# Altium PCB SPG300 Rev05.PcbDoc (part 3 of 8) (continued)
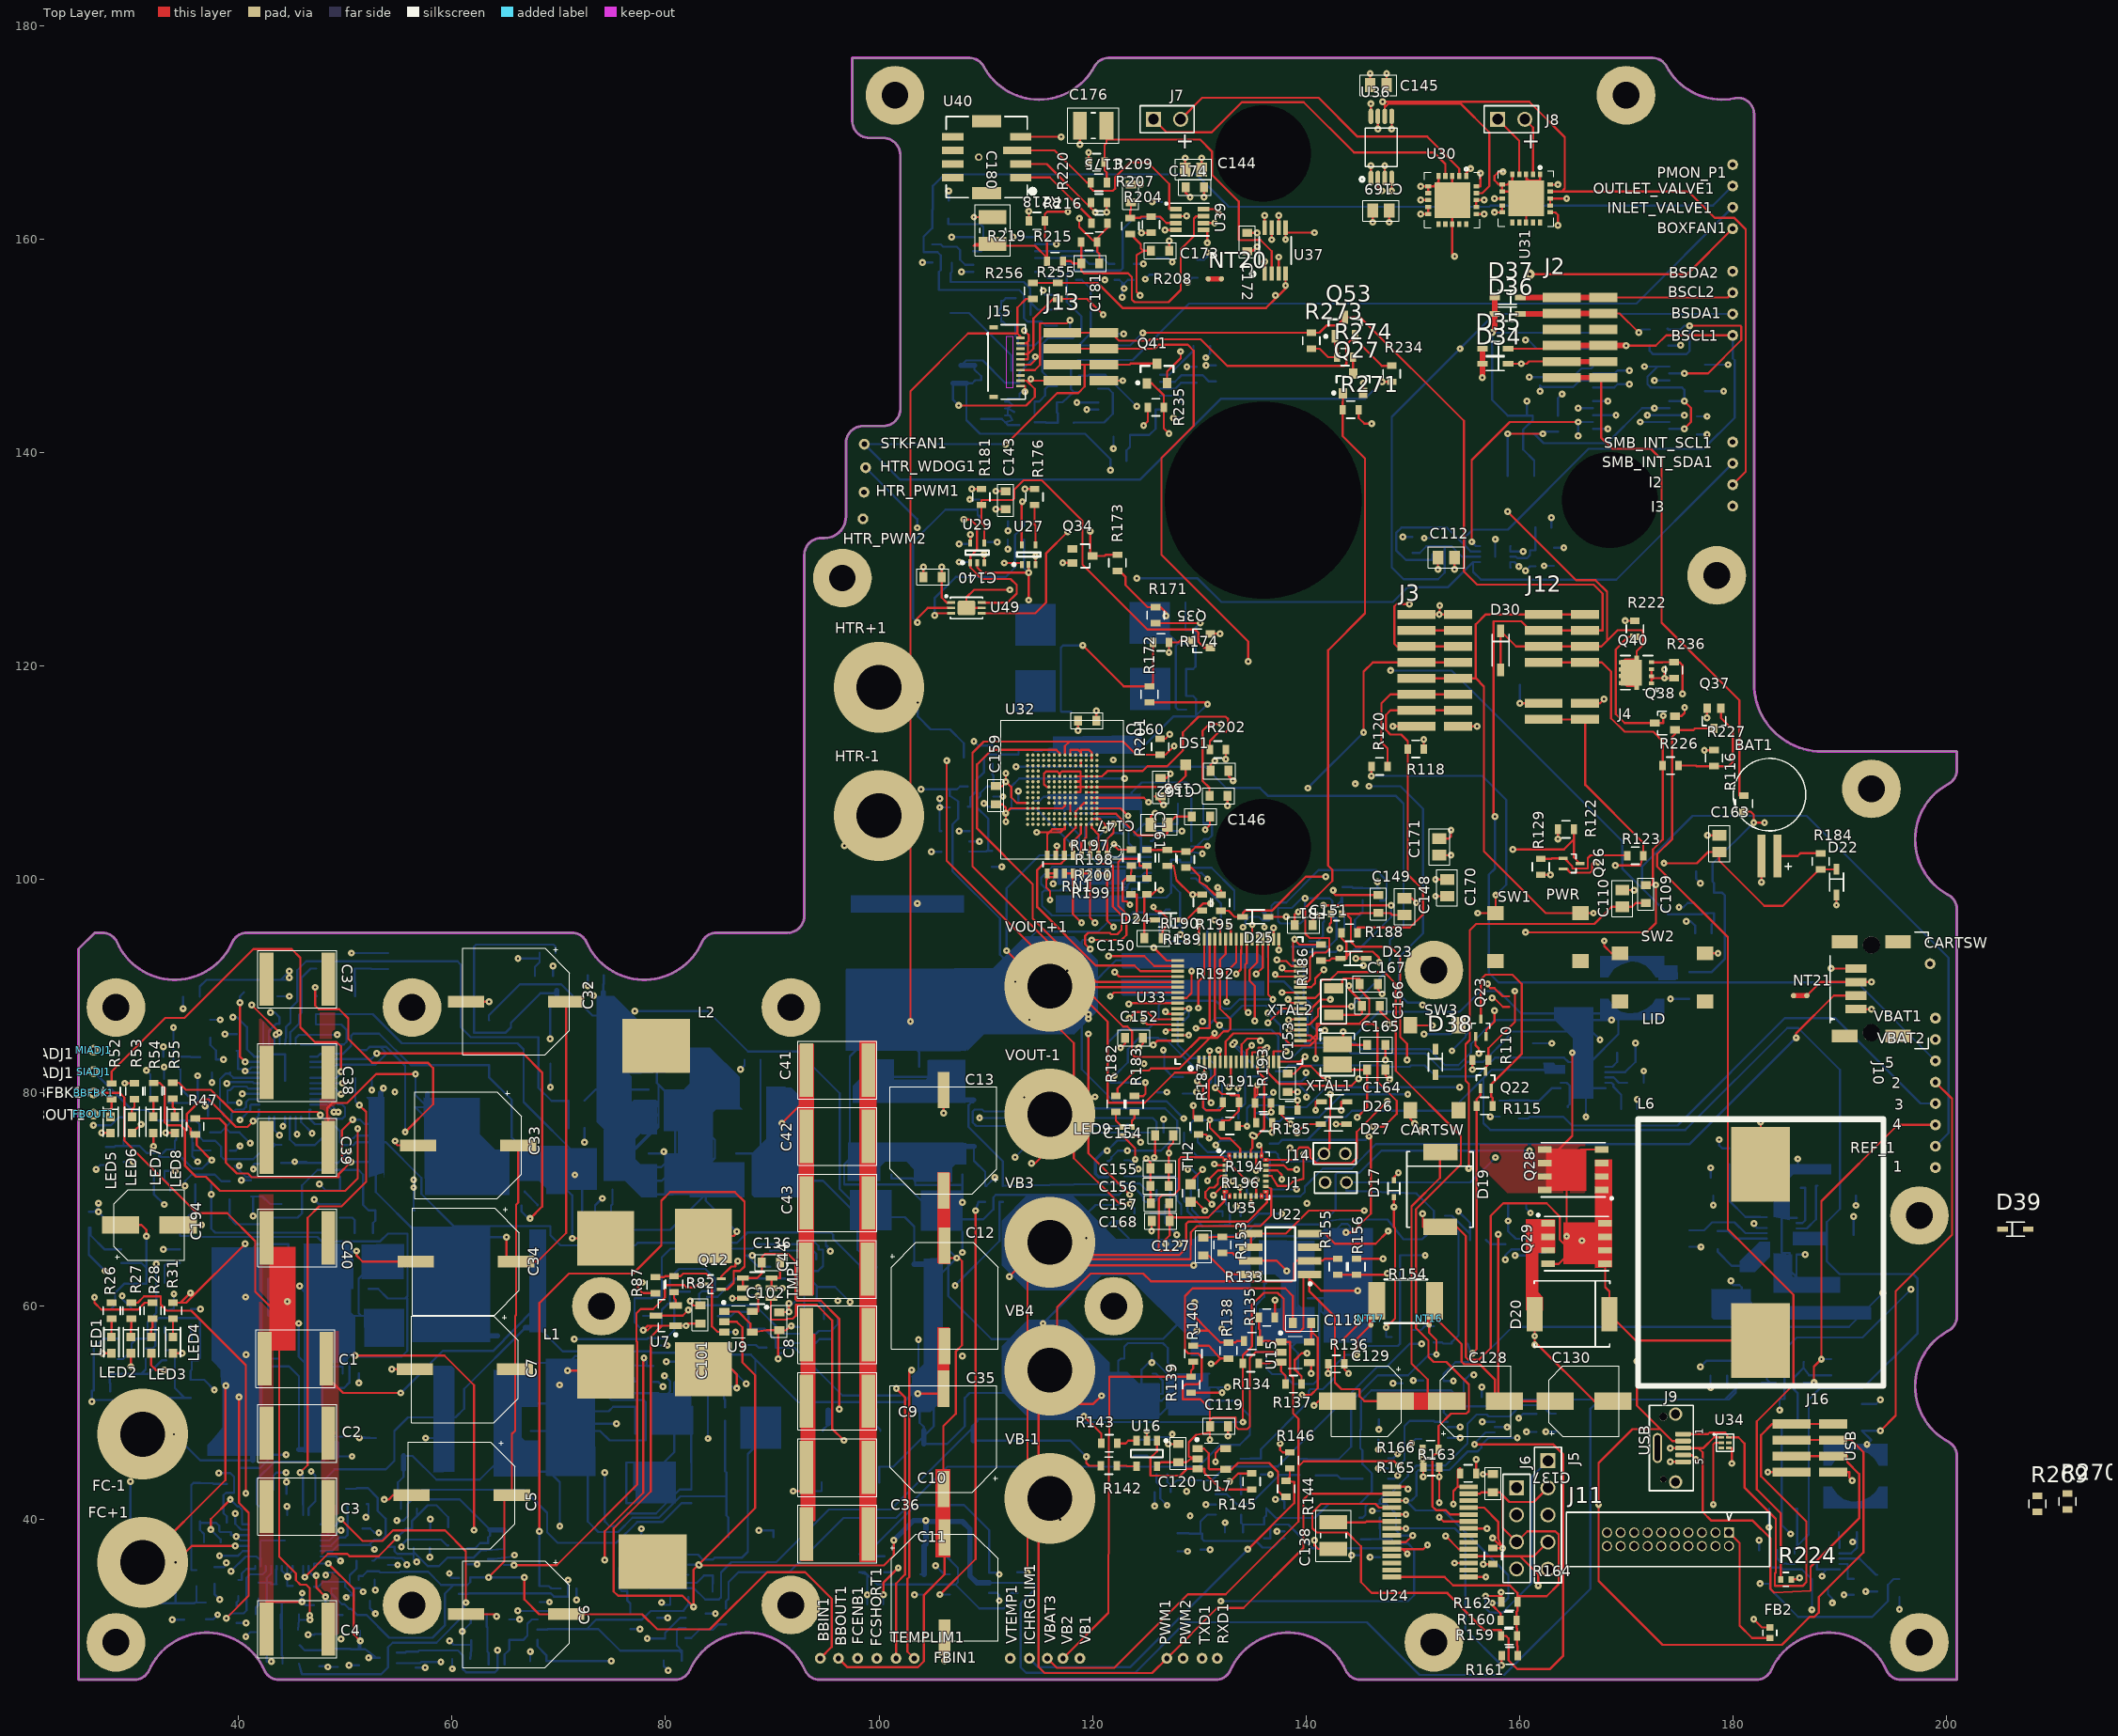
[diagram p0: Top Layer view]
## Part data (continued)
RN1: "CTS Resistor Network SMD 8 res", Supplier Part Number 1=742C163333JPCT-ND, Supplier 1=Digi-Key
SW1 SW2 SW3: "Momentary Push Switch", Supplier Part Number 1=CKN9112CT-ND, Supplier 1=Digi-Key
TH1 TH2: "Thermistor", Case-EIA=0603, Supplier Part Number 1=495-7392-1-ND, Name=NTC, Supplier 1=Digi-Key, Technology=NTC
TMP1: "TI Temperature Sensor I2C", Package=SOT23-6, Supplier Part Number 1=296-26833-1-ND, Supplier 1=Digi-Key
TZ1: library part TRANZORB, Package=SMC, Supplier Part Number 1=SMLJ33ABCT-ND, DeviceName=SMLJ33ABCT, DeviceSetName=TRANZORB, GateName_1=G$1, LibraryName=DualBankCharger-05AD, Supplier 1=Digi-Key, SymbolName_1=TVS-2
U1 U2: "Linear Tech Buck/Boost", Package=QFN38, Supplier Part Number 1=LT8705AEUHF#PBF-ND, Supplier 1=Digi-Key
U3: "DC/DC Buck"
U4: "Syncronous Buck 42V max", Package=Pkg, Supplier Part Number 1=LT8607HMSE#PBF-ND, Supplier 1=Digi-Key
U5: "Syncronous Buck 42V max", Package=Pkg
U6: Package="DHD  DFN-10EP", Supplier Part Number 1=LTC3115IDHD-1#TRPBFCT-ND, Supplier 1=Digi-Key
U7: "Temperature Sensor", Supplier Part Number 1=TC1047AVNBCT-ND, PKG=SOT23-3, Supplier 1=Digi-Key
U8 U10 U11 U12: "Op Amp Single R/R", Package="SOT 23-5"
U9 U15 U17 U26 U43 U47: "Op Amp Single R/R", Package="SOT 23-5", Supplier Part Number 1=576-2575-1-ND, Supplier 1=Digi-Key
U13: "I2C Isolator", PKG=SSOP20
U14: "I2C SMBus Address Translator", Supplier Part Number 1=LTC4316CDD#PBF-ND, Supplier 1=Digi-Key
U16 U18 U19 U25 U42 U45: Package=SOT23-5, Supplier Part Number 1=ZXCT1082E5TACT-ND, Supplier 1=Digi-Key
U20 U21: "Analog CMOS Op  Amp", Package=SC70, Supplier Part Number 1=AD8500AKSZ-REEL7CT-ND, Supplier 1=Digi-Key
U22 U46 U48: "Micrel Hi Side Driver", Supplier Part Number 1=576-1239-1-ND, PKG=SOIC8, Supplier 1=Digi-Key
U23: "TI 4 Ch input Sigma Delta ADC", Package=TFSSOP-10, Supplier Part Number 1=296-38849-1-ND, Supplier 1=Digi-Key
U24: "Microchip PIC", Package=SSOP28
U27 U29: "Low Power Single 2-Input AND gate", Package=SOT-353, Supplier Part Number 1=74AUP1G08SE-7DICT-ND, Supplier 1=Digi-Key
U30 U31: "Microchip Thermocouple EMF to Temperature Converter I2C", Package=MQFN20-EP, Supplier Part Number 1=MCP9600-E/MX-ND, Supplier 1=Digi-Key
U32: "Micron 8GB Flash", Package=BGA-153
U33: "STMicro uProcessor ARM Core 4", Package=QFN-64, Supplier Part Number 1=497-15877-ND, Supplier 1=Digi-Key
U34: "USB TVS"
U35: Supplier Part Number 1=497-11564-ND, Supplier 1=Digi-Key
U36: "2k EEPROM I2C", Package=TSSOP8, Supplier Part Number 1=AT24C02D-XHM-TTR-ND, Supplier 1=Digi-Key
U37: "Maxim 4ch 12bit I2C ADC", Package=uMAX8, Supplier Part Number 1=MAX11613EUA+CT-ND, Supplier 1=Digi-Key
U38 U41: "TI DC Current Solenoid Driver"
U39: "Op Amp - Dual Low Power", Supplier Part Number 1=296-32185-1-ND, Name=OPA2397, Supplier 1=Digi-Key
U40: library part "ICSP 1451-P", "15psi pressure guage", Note=Hand-Solder, Supplier Part Number 1="ICSP 1471-15G-T"
U44: "Analog Devices -", Package=QSOP16, Supplier Part Number 1=ADM1270ARQZ-R7CT-ND, Supplier 1=Digi-Key
U49: "IC Mono Multibrator", Manufacturer 1="Linear Technologies", Manufacturer 1 Part Number=LTC6993-2, Package=DFN6-EP
VR1: "Microchip 150mA Adj LDO", Package="SOT 23-5", Supplier Part Number 1=576-1262-1-ND, PN=MIC5205YM5-TR, Supplier 1=Digi-Key
VR2: library part REFxxxx, Package=SOT23-3, Supplier Part Number 1=296-26324-1-ND, Name=REF3033, Supplier 1=Digi-Key
XTAL1: "Generic Crystal Symbol", Supplier Part Number 1=535-9542-1-ND, Supplier 1=Digi-Key
XTAL2: "Generic Crystal Symbol", Supplier Part Number 1=644-1178-1-ND, Supplier 1=Digi-Key

## Free pads (board coordinates)
  round 5.5 hole 2.5 paste-0.2: 18(28.5,28.5) 18(28.5,88) 18(56.25,32) 18(56.25,88) 18(74,60) 18(91.75,32) 18(91.75,88) 18(96.569,128.251) 18(122,60) 18(152,28.5) 18(152,91.5) 18(170,173.5) 18(178.5,128.5) 18(193,108.5) 18(197.5,68.5)
  round 5.5 hole 2.5 unplated paste-0.2: 18(101.5,173.5) 18(197.5,28.5)
  round 7.5 hole 9 unplated paste-0.2: 18(136,103.05) 18(136,168.05) 18(168.5,135.55)
  round 18 hole 18.429 unplated paste-0.2: 19(136,135.55)

## Via types
v1: diameter 0.65, hole 0.203, Top Layer to Bottom Layer, 964 vias
v2: diameter 8.5/0.5/0.5/8.5 (per signal layer), hole 4.2, Top Layer to Bottom Layer, 9 vias
v3: diameter 0.905, hole 0.305, Top Layer to Bottom Layer, 1 vias

## Nets (pads, with @x,y where several pads share a name; then routed paths per layer and width w, separated by ;. In a path a pad name is that pad's centre, name@x,y a point inside that pad or via, vN(x,y) a via of type N, cw(c..) or ccw(c..) an arc to the next point about the centre after c; other vN are vias at no path point)
3V3: 1.1 C66.1 C68.1 C70.1 C112.1 C113.1 C116.1 C117.1 C140.1 C142.1 C143.1 C144.1 C145.1 C150.1 C151.1 C152.1 C153.1 C154.1 C155.1 C156.1 C157.1 C158.1 C159.1 C160.1 C161.1 C162.1 C168.1 C169.1 C170.1 C171.1 C172.1 C174.1 D22.A FB1.1 FB2.1 I1.2 J3.1 J4.1 J10.1 LED1.A LED2.A LED3.A LED4.A LED5.A LED6.A LED7.A LED8.A Q23.1 R61.2 R110.1 R118.2 R122.1 R127.2 R128.2 R131.1 R179.1 R186.2 R187.2 R189.1 R190.1 R197.2 R201.1 R202.1 R222.2 R224.2 R249.2 R267.2 R268.2 RN1.9 RN1.10 RN1.11 RN1.12 RN1.13 RN1.14 RN1.15 RN1.16 SW2.2 U3.18 U13.4 U13.9 U14.4 U14.5 U26.2 U27.5 U29.5 U30.8 U31.8 U31.16 U32.C6 U32.E6 U32.E14 U32.F5 U32.G1 U32.G2 U32.G3 U32.J10 U32.K9 U32.M4 U32.N4 U32.P3 U32.P5 U33.19 U33.32 U33.48 U33.64 U35.7 U36.1 U36.8 U37.8 U39.8 U49.1 | length 173.4
  Top Layer w0.203: v1(27.148,76.25) LED5.A@28,76.25 ; v1(27.223,55.6) LED1.A@28.075,55.6 ; v1(29.9,54.342) LED2.A@29.9,55.6 ; LED6.A@30,76.25 30.406,76.656 30.446,76.656 v1(30.852,77.063) ; LED3.A@31.8,55.6 31.8,54.467 32.246,54.022 v1(33.02,54.022) ; v1(32,74.992) LED7.A@32,76.25 ; v1(33.148,76.25) LED8.A@34,76.25 ; LED4.A@33.846,55.6 v1(34.698,55.6) ; v1(105.875,129.278) C140.1@105.875,128.351 105.875,126.419 106.345,125.95 U49.1@106.775,125.95 ; U29.5@108.56,131.549 v1(108.56,132.326) ; v1(110.948,134.7) C143.1@111.875,134.7 ; C159.1@110.96,108.74 111.557,108.74 111.887,109.071 v1(111.887,109.169) ; v1(111.887,109.959) v1(111.887,109.169) ; U27.5@113.371,131.374 113.371,135.417 v1(113.436,135.417) ; U32.E14@113.924,107.165 112.925,107.165 112.395,107.696 112.395,108.662 v1(111.887,109.169) ; RN1.9@115.775,100.576 115.775,100.559 RN1.10@116.575,100.559 ; v1(116.035,98.084) 116.035,98.891 115.677,99.249 115.677,99.974 115.93,100.227 116.575,100.227 RN1.10@116.575,100.559 ; RN1.10@116.575,100.576 RN1.10@116.575,100.559 ; RN1.11@117.375,100.576 117.375,100.559 RN1.12@118.175,100.559 ; U32.C6@117.924,106.165 U32.E6@117.924,107.165 ; RN1.12@118.175,100.576 RN1.12@118.175,100.559 ; v1(118.66,113.957) C160.1@118.66,114.884 ; U32.M4@118.924,110.665 U32.N4@118.924,111.165 ; RN1.13@118.975,100.576 118.975,100.559 RN1.14@119.775,100.559 ; v1(118.981,95.95) 118.175,96.757 RN1.12@118.175,100.559 ; U32.G3@119.424,108.165 U32.G2@119.924,108.165 U32.G1@120.424,108.165 ; RN1.14@119.775,100.576 RN1.14@119.775,100.559 ; v1(120.251,95.95) 119.775,96.427 RN1.14@119.775,100.559 ; RN1.15@120.575,100.576 120.575,100.559 RN1.16@121.375,100.559 ; RN1.16@121.375,100.576 RN1.16@121.375,100.559 ; v1(121.978,95.544) 121.375,96.147 RN1.16@121.375,100.559 ; v1(124.344,84.222) 124.75,84.628 C152.1@124.75,85.149 ; R197.2@125.099,102.774 R189.1@127.026,102.774 127.102,102.774 127.251,102.625 R190.1@128.751,102.625 129.255,102.625 129.672,103.043 130.683,103.043 v1(130.785,103.145) ; v1(125.706,84.494) 126.112,84.9 U33.64@127.977,84.9 ; v1(125.725,97.423) 125.725,97.276 125.984,97.017 126.39,97.017 126.981,96.426 126.981,95.669 126.575,95.262 C150.1@126.575,94.5 ; R201.1@126.351,113.191 126.846,113.191 v1(127.253,113.598) ; C161.1@126.386,109.5 126.907,109.5 v1(127.313,109.907) ; v1(126.844,65.837) 126.844,66.244 127.25,66.65 C168.1@127.25,67.984 127.25,68.072 127.195,68.072 127.195,68.747 ; C156.1@127.147,71.275 127.147,72.085 ; C155.1@127.147,72.925 127.147,72.085 ; v1(127.18,74.348) v1@127.147,74.348 ; C157.1@127.195,69.645 127.195,68.747 ; C154.1@127.573,76.001 127.573,75.331 127.147,74.905 v1@127.147,74.348 ; v1(129.461,78.819) 129.461,77.6 R187.2@129.956,77.6 ; U33.48@129.977,94.4 v1(129.977,95.859) ; C144.1@130.241,166.524 v1(130.241,167.626) ; U39.8@130.435,162.824 131.437,162.824 v1(131.844,162.417) ; v1(130.45,163.951) C174.1@130.45,164.878 ; U35.7@132.374,70.725 132.374,69.845 130.861,68.332 127.61,68.332 127.195,68.747 ; v1(132.5,111.273) R202.1@132.5,112.175 ; v1(132.665,106.914) C162.1@132.665,107.841 ; C158.1@132.767,110.189 132.767,109.669 v1(133.173,109.262) ; C172.1@134.501,160.602 v1(135.428,160.602) ; U37.8@136.15,161.098 v1(136.15,162.225) ; C153.1@138.301,81.789 138.866,81.789 139.59,82.513 140.464,82.513 141.631,81.346 v1(142.037,81.346) ; v1(138.425,85.9) U33.19@139.477,85.9 ; v1(138.933,94.42) v1@138.933,94.407 ; v1(138.938,94.412) v1@138.933,94.407 ; C151.1@138.95,95.72 138.95,96.725 139.192,96.967 v1(139.294,96.967) ; U33.32@139.477,92.4 138.806,92.4 138.806,94.28 v1@138.933,94.407 ; R186.2@141.425,93.9 139.395,93.9 138.933,94.362 v1@138.933,94.407 ; v1(142.24,95.285) 142.24,95.829 142.367,95.956 FB1.1@142.367,96.788 ; C145.1@146.024,174.45 v1(146.024,175.552) ; U36.1@146.099,165.725 v1(146.099,166.902) ; U36.8@146.099,171.525 v1(146.099,172.702) ; v1(146.275,161.597) C169.1@146.275,162.699 ; J3.1@150.375,124.85 152.231,124.85 152.552,125.171 v1(152.552,125.679) ; v1(150.75,163.675) U30.8@151.477,163.675 ; R118.2@151.049,112.225 v1(151.049,113.127) ; v1(152.148,99.986) C170.1@153.25,99.986 ; v1(152.498,124.85) J3.1@154.275,124.85 ; C171.1@152.5,102.272 v1(153.602,102.272) ; v1(153.93,129.073) C112.1@153.93,130.175 ; v1(155.61,82.174) R110.1@155.61,83.076 ; Q23.1@155.9,85.299 155.9,84.459 156.21,84.149 v1(156.21,83.696) ; v1(157.673,163.827) U31.8@158.4,163.827 ; v1(160.048,116.501) J4.1@162.275,116.501 ; U31.16@162.9,162.527 163.373,162.527 163.627,162.273 v1(163.627,161.308) ; v1(163.62,103.799) R122.1@163.62,104.701 ; J4.1@166.175,116.501 167.545,116.501 v1(167.952,116.907) ; v1(169.932,124.25) R222.2@170.834,124.25 ; SW2.2@177.401,93.076 v1(178.628,93.076) ; v1(181.972,30.67) 182.742,29.9 FB2.1@183.475,29.9 ; R224.2@185.5,34.4 186.122,34.4 v1(186.27,34.547) ; v1(189.725,97.598) D22.A@189.725,98.55 ; J10.1@191.55,87.845 v1(193.002,87.845) ; 127.147,72.085 v1@127.147,74.348
  Bottom Layer w0.203: v1(107.497,131.451) C142.1@108.424,131.451 ; U26.2@108.466,103.574 v1(109.418,103.574) ; v1(108.497,135.616) R179.1@109.399,135.616 ; v1(133.331,84.738) 133.331,84.332 133.675,84.332 134.305,83.702 134.305,78.991 133.675,78.361 R249.2@133.675,77.624 ; v1(149.099,132.099) R128.2@150.001,132.099 ; v1(151.099,131.999) R127.2@152.001,131.999 ; v1(153.692,83.936) 153.692,83.966 154.971,85.246 154.971,85.4 R267.2@155.169,85.598 ; U14.5@159.164,129.249 159.156,129.249 159.156,129.749 U14.4@159.164,129.749 159.547,129.749 v1(159.954,129.343) ; v1(160.048,116.501) 160.048,118.223 R268.2@160.05,118.225 ; v1(160.599,128.943) 161.005,129.349 R131.1@161.501,129.349 ; v1(162.324,129.399) C113.1@163.251,129.399 ; v1(165.507,144.174) U13.4@166.909,144.174 ; U13.9@166.909,147.424 168.932,147.424 169.197,147.689 v1(170.307,147.689) ; C117.1@176.676,141.7 v1(177.603,141.7) ; C116.1@177.399,145.75 v1(179.151,145.75) ; C66.1@177.951,72.048 v1(177.951,72.975) ; v1(178.178,69.474) R61.2@178.178,70.376 ; v1(179.832,62.382) 179.832,62.186 180.035,61.983 180.629,61.983 180.838,61.773 180.838,60.976 I1.2@179.924,60.976 ; v1(181.982,67.749) 181.982,67.632 182.27,67.343 U3.18@183.19,67.343
3V3A_MCU: C148.1 C149.1 FB1.2 U33.13 | length 39.4
  Top Layer w0.203: U33.13@135.977,82.9 135.977,83.845 v1(136.18,84.049) ; FB1.2@143.367,96.788 143.75,96.788 ; C148.1@149.239,96.675 148.105,96.675 147.93,96.85 C149.1@146.8,96.85 145.096,96.85 145.034,96.788 143.75,96.788 ; v1(149.479,83.072) 149.479,84.609 148.846,85.242 148.846,92.784 147.93,93.701 144.678,93.701 144.221,94.158 144.221,96.317 143.75,96.788
  Layer 1 w0.203: v1(136.18,84.049) 137.716,82.513 147.118,82.513 147.188,82.443 148.66,82.443 149.142,82.925 149.21,82.925 149.358,83.072 v1(149.479,83.072)
3V6: 4.1 C85.1 C131.1 C136.1 C137.1 J5.2 J6.3 R68.2 R159.2 R160.2 R161.2 R162.1 TMP1.4 TMP1.5 U23.8 U24.13 U24.28 VR1.5 | length 217.3
  Top Layer w0.203: TMP1.5@87.251,61.7 TMP1.4@87.251,62.65 88.595,62.65 89.025,63.08 C136.1@89.025,64.101 89.025,64.618 89.304,64.897 91.491,64.897 92.177,64.211 92.177,60.655 92.294,60.538 94.561,60.538 96.266,58.833 v1(96.266,50.343) ; U24.28@148.051,34.631 152.999,34.631 153.797,33.833 159.119,33.833 159.83,33.122 159.83,32.817 ; U24.13@155.251,42.43 156.312,42.43 156.44,42.559 C137.1@157.531,42.559 158.166,42.559 158.445,42.279 ; R161.2@159.85,27.251 159.85,28.143 159.801,28.192 R159.2@159.801,29.101 159.801,29.794 159.751,29.844 R160.2@159.751,30.551 159.751,31.369 159.83,31.449 R162.1@159.83,32.299 159.83,32.817 ; J5.2@162.687,42.977 161.366,41.656 159.068,41.656 158.445,42.279 ; v1(187.616,52.85) 187.616,54.344 v1(188.311,55.039) 188.311,69.845 195.466,77 4.1@199,77 ; 158.445,42.279 158.445,39.216 J6.3@159.751,37.911 160.753,38.913 163.387,38.913 163.692,38.608 163.692,33.949 162.56,32.817 159.83,32.817
  Layer 1 w0.203: v1(96.266,50.343) 140.147,50.343 140.427,50.063 141.407,50.063 141.687,50.343 160.223,50.343 160.579,49.987 160.579,49.124 160.122,48.666 v1(158.877,48.666) ; v1(156.5,52.428) 157.082,53.01 178.835,53.01 179.473,52.372 179.475,52.375 187.141,52.375 v1(187.616,52.85)
  Layer 2 w0.203: v1(156.5,52.428) 156.5,51.044 v1(158.877,48.666) 158.877,46.787 J5.2@162.687,42.977
  Bottom Layer w0.203: C131.1@156.5,51.501 v1(156.5,52.428) ; U23.8@157.7,48.675 158.869,48.675 v1(158.877,48.666) ; 179.473,52.372 179.475,52.37 C85.1@179.475,53.472 ; VR1.5@186.664,52.85 v1(187.616,52.85) ; v1(188.311,55.039) R68.2@189.213,55.039
5V0: 3.1 C77.2 C78.1 C79.1 C84.1 C100.1 C101.1 C103.1 C104.1 C105.1 C118.1 C119.1 C120.1 C121.1 C122.1 C125.1 C126.1 C139.1 C185.1 C191.1 L4.2 R67.1 R101.1 R116.2 R198.2 TH1.2 U7.1 U8.2 U9.2 U10.2 U11.2 U12.2 U15.2 U16.5 U17.2 U18.5 U19.5 U20.5 U21.5 U25.5 U42.5 U43.2 U45.5 U47.2 VR1.1 VR1.3 VR2.1 | length 723.7
  Top Layer w0.203: v1(81.93,58.175) v1@81.822,58.175 ; v1(83.146,35.712) 100.457,35.712 101.397,36.652 v1(101.397,38.075) ; C101.1@83.249,58.375 82.022,58.375 v1@81.822,58.175 ; U9.2@85.51,58.549 86.662,58.549 87.198,58.014 87.198,54.737 88.387,53.548 88.387,41.078 v1(83.083,35.775) 82.626,35.317 v1(82.626,31.826) 81.593,32.86 75.548,32.86 75.133,33.274 75.133,39.167 78.608,42.641 78.608,57.129 79.654,58.175 ; R198.2@123.601,98.6 124.15,98.6 v1(124.15,96.291) ; U16.5@126.05,45.001 126.424,45.375 C120.1@128.05,45.375 128.778,45.375 129.235,45.7 U17.2@129.857,45.7 129.032,45.903 129.032,47.244 129.743,47.955 131.011,48.158 ; v1(131.011,47.496) 131.011,48.158 ; U15.2@137.684,55.7 135.297,55.7 134.747,55.15 134.747,48.717 134.518,48.489 133.68,48.489 133.401,48.768 133.401,49.555 131.267,49.555 131.011,49.3 ; C118.1@138.79,58.436 138.79,60.96 138.079,61.671 129.388,61.671 128.676,60.96 128.676,55.88 128.981,55.575 129.921,55.575 130.226,55.27 130.226,53.035 129.87,52.68 128.727,52.68 128.473,52.426 128.473,51.283 130.122,51.283 131.011,50.394 131.011,49.3 ; R116.2@181.051,106.355 181.681,106.355 181.966,106.07 v1(181.966,105.334) v1(182.987,105.334) ; 78.724,58.175 78.317,58.175 v1(77.902,57.76) 78.308,57.76 78.724,58.175 ; 78.724,58.175 79.654,58.175 ; 79.654,58.175 U7.1@80.951,58.175 v1@81.822,58.175 ; 131.011,48.158 C119.1@131.011,48.75 131.011,49.3
  Layer 1 w0.203: v1(37.719,52.146) 37.942,51.923 39.41,51.923 39.837,52.349 44.882,52.349 46.152,51.079 71.222,51.079 v1(77.902,57.76) ; v1(104.37,39.929) 105.182,40.742 124.257,40.742 v1(131.011,47.496)
  Layer 2 w0.203: v1(81.93,58.175) 87.396,63.641 87.396,66.67 98.806,78.08 98.806,103.302 v1(103.955,108.45) ; v1(182.987,105.334) 187.071,105.334 199.822,92.583 199.822,79.822 3.1@199,79 200.558,77.442 200.558,65.456 v1(196.698,61.595)
  Bottom Layer w0.203: U47.2@31.291,56.025 31.92,56.025 32.182,56.286 32.182,58.572 32.512,58.903 36.17,58.903 36.373,58.699 36.373,55.128 36.17,54.925 U45.5@35.599,54.925 35.599,54.056 35.493,53.95 C191.1@35.493,53.1 36.765,53.1 v1(37.719,52.146) ; U12.2@67.991,29.7 68.936,29.7 68.981,29.745 C105.1@69.927,29.745 72.619,29.745 ; v1(77.902,57.76) 77.826,57.76 77.089,58.496 77.089,60.749 TH1.2@77.9,60.749 78.715,60.749 78.79,60.825 R101.1@79.649,60.825 79.649,64.587 80.467,65.405 88.138,65.405 88.544,65.811 93.325,65.811 C104.1@93.325,66.09 93.878,66.09 94.336,65.632 94.336,65.303 94.76,65.303 94.76,63.774 94.285,63.299 93.359,63.299 93.175,63.483 U11.2@93.175,64.416 ; C103.1@81.525,26.8 81.525,27.466 ; U10.2@81.866,29.85 81.28,29.85 81.051,29.621 81.051,28.194 81.525,27.72 81.525,27.466 ; C100.1@82.15,32.75 82.15,32.106 ; U42.5@103.886,34.875 U42.5@104.226,34.875 ; v1(103.955,108.45) C139.1@106.624,108.45 ; U25.5@108.326,108.724 107.588,108.724 107.315,108.45 C139.1@106.624,108.45 ; U43.2@110.333,34.075 114.438,34.075 114.605,33.909 114.605,33.452 113.284,32.131 113.284,26.162 113.792,25.654 124.003,25.654 128.727,30.378 145.72,30.378 150.66,25.439 158.585,25.439 166.675,33.528 166.675,50.394 167.538,51.257 ; v1(124.15,96.291) 124.032,96.174 121.6,96.174 120.527,95.1 114.735,95.1 112.166,92.532 111.76,92.532 111.333,92.959 111.333,96.337 106.883,100.787 106.883,105.156 107.417,105.689 107.417,107.315 106.624,107.848 C139.1@106.624,108.45 ; U18.5@133.948,40.474 133.948,39.698 134.124,39.522 ; C121.1@134.124,38.79 134.124,39.522 ; C77.2@159.975,77.599 160.833,77.599 160.987,77.753 R67.1@161.885,77.753 164.131,77.753 164.948,76.937 174.827,76.937 184.905,87.015 189.591,87.015 197.606,79 3.1@199,79 ; C78.1@175.928,91.306 178.003,91.306 179.273,92.576 179.273,98.496 179.019,98.75 VR2.1@178.251,98.75 178.251,99.67 178.116,99.805 C79.1@178.116,100.75 178.116,101.484 v1(181.966,105.334) ; VR1.1@184.034,52.85 183.49,52.85 ; v1(196.698,61.595) 192.176,57.074 186.004,57.074 184.034,55.104 VR1.3@184.034,54.75 183.49,54.75 183.21,54.471 183.21,53.129 183.49,52.85 ; 72.619,29.745 73.709,29.745 75.743,27.711 81.28,27.711 81.525,27.466 ; 72.619,29.745 73.506,30.632 77.8,30.632 78.613,31.445 81.686,31.445 82.15,32.106 ; 82.15,32.106 v1(82.626,31.826) 82.43,31.826 82.15,32.106 ; 134.124,39.522 134.124,39.55 U20.5@136.102,39.55 136.102,40.183 136.301,40.382 C125.1@136.301,41.049 137.193,40.157 140.843,40.157 142.16,41.474 U21.5@145.028,41.474 146.177,42.623 146.177,44.336 145.301,45.212 U19.5@145.301,45.745 145.301,46.507 145.1,46.708 C126.1@145.1,47.494 145.1,48.387 145.156,48.443 C122.1@145.156,49.373 145.156,51.136 146.141,52.121 153.619,52.121 153.924,51.816 153.924,50.927 154.229,50.622 158.318,50.622 158.953,51.257 167.538,51.257 ; 167.538,51.257 179.279,51.257 ; 179.279,51.257 180.289,52.267 ; 179.279,51.257 179.629,51.257 180.289,51.918 180.289,52.267 ; 180.289,52.267 C84.1@180.746,52.724 ; 180.289,52.267 180.289,52.426 180.588,52.724 C84.1@180.746,52.724 ; C84.1@180.746,52.724 C84.1@181.35,52.724 182.626,52.724 182.752,52.85 183.49,52.85 ; U8.2@82.141,35.775 83.08,35.716 v1(83.146,35.712) v1(83.083,35.775) U8.2@82.141,35.775
  Bottom Layer w0.5: v1(101.397,38.075) 103.251,39.929 v1(104.37,39.929) ; U42.5@104.226,34.875 104.226,37.53 104.37,37.673 C185.1@104.37,37.773 104.41,37.814 104.41,39.848 104.398,39.86 104.398,39.917 104.41,39.929 104.512,39.827 107.815,39.827 108.509,39.133 108.509,34.75 109.183,34.075 U43.2@110.333,34.075
7V5: 2.1 C25.1 C56.1 C69.2 C74.1 L3.2 R62.1 U1.29 U2.29 | length 278.9
  Top Layer w0.203: v1(45.745,44.399) 46.457,45.11 46.457,68.275 47.549,69.367 49.632,69.367 51.937,71.673 51.937,78.213 v1(51.308,78.842) ; v1(193.853,48.338) 195.275,49.76 195.275,61.417 200.558,66.7 200.558,79.442 2.1@199,81
  Layer 1 w0.203: v1(45.745,44.399) 51.156,49.809 86.477,49.809 90.007,53.34 130.947,53.34 131.989,54.381 154.271,54.381 154.717,53.936 154.717,53.005 156.87,50.851 179.172,50.851 182.956,47.066 v1(192.581,47.066) ; v1(49.327,78.207) 50.673,78.207 v1(51.308,78.842)
  Layer 2 w0.203: v1(182.575,34) 192.581,44.006 v1(192.581,47.066)
  Bottom Layer w0.203: v1(45.745,44.399) 46.026,44.119 C25.1@46.026,42.425 46.026,41.426 46.05,41.402 U1.29@46.05,40.45 ; U2.29@46.738,79.401 48.133,79.401 v1(49.327,78.207) ; C56.1@50.924,81.376 50.924,79.225 v1(51.308,78.842) ; v1(182.575,34) R62.1@183.476,34 183.476,33.542 186.126,30.892 193.071,30.892 194.539,32.36 194.539,33.892 195.072,34.425 C69.2@195.626,34.425 ; v1(192.581,47.066) 192.976,47.461 C74.1@192.1,48.338 v1(193.853,48.338)
12V0: 5.1 C89.1 C90.1 C92.1 C93.1 C94.1 C95.1 D28.C D29.C D33.A J12.2 NT22.2 NT23.2 Q53.3 R72.1 R205.2 R223.2 R273.1 U6.3 U48.5 U48.6 | length 448.6
  Top Layer w0.203: v1(124.718,151.232) 124.737,151.25 R273.1@140.516,151.25 141.268,151.25 141.935,151.917 142.892,151.917 Q53.3@143.675,152.7 143.675,152.705 145.085,152.705 154.813,142.977 154.813,128.88 156.058,127.635 166.98,127.635 167.818,126.797 167.818,123.35 J12.2@166.175,123.35 J12.2@162.275,123.35 161.054,123.35 160.198,124.206 157.582,124.206 157.582,106.045 v1(157.734,105.893)
  Layer 1 w0.203: v1(47.574,71.45) 47.981,71.857 v1(56.388,71.857) ; v1(56.388,71.12) 67.208,81.94 76.225,81.94 ; v1(121.691,138.354) 100.279,138.354 99.644,137.719 98.349,137.719 97.663,137.033 97.663,132.944 99.746,130.861 99.746,93.269 98.349,91.872 86.157,91.872 76.225,81.94 ; v1(130.302,102.413) 129.489,103.226 129.489,106.745 128.03,108.204 119.557,108.204 102.412,91.059 85.75,91.059 76.632,81.94 76.225,81.94 ; v1(146.71,99.771) 146.71,102.591 150.012,105.893 v1(157.734,105.893)
  Layer 2 w0.203: v1(121.691,138.354) 123.495,140.157 123.495,150.571 v1(122.936,151.13)
  Bottom Layer w0.203: v1(47.574,71.45) 48.18,70.844 U48.6@49.507,70.844 U48.5@49.507,72.114 ; v1(56.388,71.857) v1(56.388,71.12) 56.388,68.975 D33.A@56.45,68.975 ; NT22.2@108.95,148.177 108.95,147.791 109.573,147.168 D29.C@109.573,146.801 109.02,146.801 108.737,146.519 NT23.2@108.2,146.519 108.2,143.053 109.47,141.783 119.308,141.783 121.695,139.395 R223.2@121.695,139.251 121.695,138.358 v1(121.691,138.354) ; D28.C@116.677,150.059 118.716,150.059 ; R205.2@118.45,156.202 119.007,156.202 119.837,155.372 119.837,151.13 ; v1(122.936,151.13) 119.837,151.13 ; C93.1@124.043,89.923 C94.1@127.568,89.923 C92.1@131.124,89.923 132.893,89.923 132.993,89.823 C95.1@134.773,89.823 ; v1(124.718,151.232) 123.546,150.059 118.716,150.059 ; U6.3@129.273,102.6 130.293,102.422 v1(130.302,102.413) ; R72.1@143.425,99.301 144.323,99.301 144.424,99.2 C89.1@145.324,99.2 146.15,99.151 C90.1@146.71,99.151 ; v1(146.71,99.771) C90.1@146.71,99.151 ; C90.1@146.949,99.151 C90.1@146.71,99.151 ; v1(157.734,105.893) 157.734,101.041 157.15,100.457 157.15,91.262 158.064,90.348 191.652,90.348 5.1@199,83 ; 118.716,150.059 119.786,151.13 119.837,151.13
AI_3V3: R197.1 R199.2 U35.3 | length 48.8
  Top Layer w0.203: v1(119.939,94.336) 122.733,94.336 123.19,94.793 123.19,96.774 122.428,97.536 122.428,101.625 122.733,101.93 124.409,101.93 124.409,101.274 R197.1@125.099,101.274 125.099,100.687 125.1,100.686 R199.2@125.1,100.099 ; v1(130.785,71.755) 131.754,72.725 U35.3@132.449,72.725
  Layer 2 w0.203: v1(128.549,77.597) 128.549,76.769 129.698,75.621 129.698,72.339 130.282,71.755 v1(130.785,71.755)
  Bottom Layer w0.203: v1(119.939,94.336) 119.126,94.336 118.999,94.209 118.999,82.194 121.996,79.197 126.949,79.197 v1(128.549,77.597)
AI_5V0: R198.1 R200.2 U35.4 | length 52.2
  Top Layer w0.203: v1(119.634,85.522) 119.614,85.502 119.614,74.341 v1(123.495,70.46) ; v1(123.52,97.638) 123.208,97.95 122.834,97.95 122.834,99.796 123.139,100.1 R198.1@123.601,100.1 123.601,100.66 123.654,100.713 R200.2@123.654,101.3 ; v1(131.191,69.571) 130.581,70.18 130.581,70.714 130.993,71.125 131.414,71.125 131.754,71.465 131.754,71.933 132.046,72.225 U35.4@132.449,72.225
  Layer 1 w0.203: v1(119.634,85.522) 124.567,85.522 125.614,86.568 125.614,88.117 124.882,88.848 124.882,96.5 123.745,97.638 v1(123.52,97.638) ; v1(123.495,70.46) 130.302,70.46 v1(131.191,69.571)
AI_CHTR_I: U26.1 U26.4 U35.18 | length 66.5
  Top Layer w0.203: U35.18@136.249,72.225 136.792,72.225 137.363,71.278 138.374,71.278 138.775,71.679 139.776,71.933 v1(139.776,74.224)
  Layer 1 w0.203: v1(104.902,102.591) v1(104.911,102.591) 105.588,102.591 v1(107.518,104.521) ; v1(116.586,78.638) 123.701,78.638 125.906,76.434 133.144,76.434 135.353,74.224 v1(139.776,74.224)
  Layer 2 w0.203: v1(107.518,104.521) 107.518,87.706 v1(116.586,78.638)
  Bottom Layer w0.203: v1(104.902,102.591) v1(104.902,102.591) v1(104.911,102.591) ; v1(104.911,102.591) v1(104.911,102.591) ; U26.4@105.836,102.589 v1(104.911,102.591) ; v1(107.518,104.521) 107.522,104.524 U26.1@108.466,104.524
AI_DC1_VIN: R13.1 R15.2 U35.15 | length 101.5
  Top Layer w0.203: v1(112.217,62.789) 114.23,64.801 128.144,64.801 128.773,65.43 128.773,67.711 128.981,67.92 134.549,67.92 136.347,69.718 136.347,70.627 U35.15@136.249,70.725
  Layer 2 w0.203: v1(70.866,34.341) 82.956,46.431 82.956,58.496 87.249,62.789 v1(112.217,62.789)
  Bottom Layer w0.203: R15.2@60.64,33.049 61.468,33.049 61.518,33.1 R13.1@62.351,33.1 69.237,33.1 69.545,32.791 70.866,32.791 v1(70.866,34.341)
AI_FC_I: U35.20 U47.1 U47.4 | length 126.9
  Top Layer w0.203: U35.20@136.249,73.225 137.919,73.225 138.325,72.818 v1(139.138,72.818)
  Layer 1 w0.203: v1(32.283,63.957) 85.76,63.957 86.113,63.604 87.373,63.604 87.726,63.957 91.364,63.957 95.326,67.92 110.49,67.92 111.13,68.56 128.723,68.56 129.357,67.926 134.518,67.926 136.827,70.234 136.827,72.339 137.306,72.818 v1(139.138,72.818)
  Bottom Layer w0.203: U47.4@28.66,55.04 29.159,55.04 29.972,55.853 29.972,56.49 30.457,56.975 U47.1@31.291,56.975 31.471,56.975 31.471,58.547 32.283,59.36 v1(32.283,63.957)
AI_FC_T1: J15.1 R256.1 U35.23 | length 115.7
  Top Layer w0.203: v1(102.946,86.69) 102.946,145.771 108.356,151.181 112.979,151.181 ; J15.1@113.25,150.75 113.259,150.75 113.259,150.901 112.979,151.181 ; R256.1@114.423,154.42 113.792,154.42 112.979,153.607 112.979,151.181 ; v1(135.349,72.71) U35.23@135.349,74.125
  Layer 1 w0.203: v1(102.946,86.69) 113.214,76.422 125.15,76.422 126.184,75.387 128.448,75.387 129.464,74.371 133.688,74.371 v1(135.349,72.71)
AI_FC_T2: J15.4 R255.1 U35.24 | length 105.8
  Top Layer w0.203: J15.4@113.25,149.25 113.97,149.25 114.478,149.758 114.478,152.578 116.316,154.416 R255.1@116.76,154.416 119.523,154.416 v1(121.006,152.933) ; U35.24@134.849,74.125 134.849,74.676 135.001,74.828 135.001,75.768 v1(135.179,75.946)
  Layer 1 w0.203: v1(120.244,79.629) 120.625,79.248 127.97,79.248 130.378,76.84 133.446,76.84 134.341,75.946 v1(135.179,75.946)
  Layer 2 w0.203: v1(120.244,79.629) 118.339,81.534 118.339,98.704 119.202,99.568 119.202,110.973 121.006,112.776 v1(121.006,152.933)
AI_FC_V: R263.1 R266.2 U35.19 | length 118
  Top Layer w0.203: U35.19@136.249,72.725 137.333,72.725 137.744,72.314 v1(137.744,71.907)
  Layer 1 w0.203: v1(44.45,46.076) 48.59,50.216 80.086,50.216 86.055,56.185 94.183,56.185 95.047,55.321 v1(107.823,55.321)
  Layer 2 w0.203: v1(107.823,55.321) 112.293,55.321 v1(115.367,58.395) ; v1(137.744,68.682) v1(137.744,71.907)
  Bottom Layer w0.203: R263.1@40.255,44.843 42.012,44.843 43.244,46.076 v1(44.45,46.076) ; v1(115.367,58.395) 120.548,63.576 120.548,66.65 121.899,68 R266.2@122.301,68 ; R266.2@122.45,68 R266.2@122.301,68 ; v1(137.744,68.682) 135.611,68.682 133.528,66.599 129.946,66.599 128.555,65.208 124.556,65.208 122.301,67.462 R266.2@122.301,68